# Altium PCB ST-Link-V2.1.PcbDoc
Units mil, origin at the board's own origin, x right, y up, seen from the top; angles counter-clockwise.
Board outline 1574.8 x 590.55 mil, 2 copper layers (Top Layer, Bottom Layer), stack 21 mil thick; 50 components, 40 nets, 184 pads, 62 vias.
Unrouted connection lines stored in the file: 11.
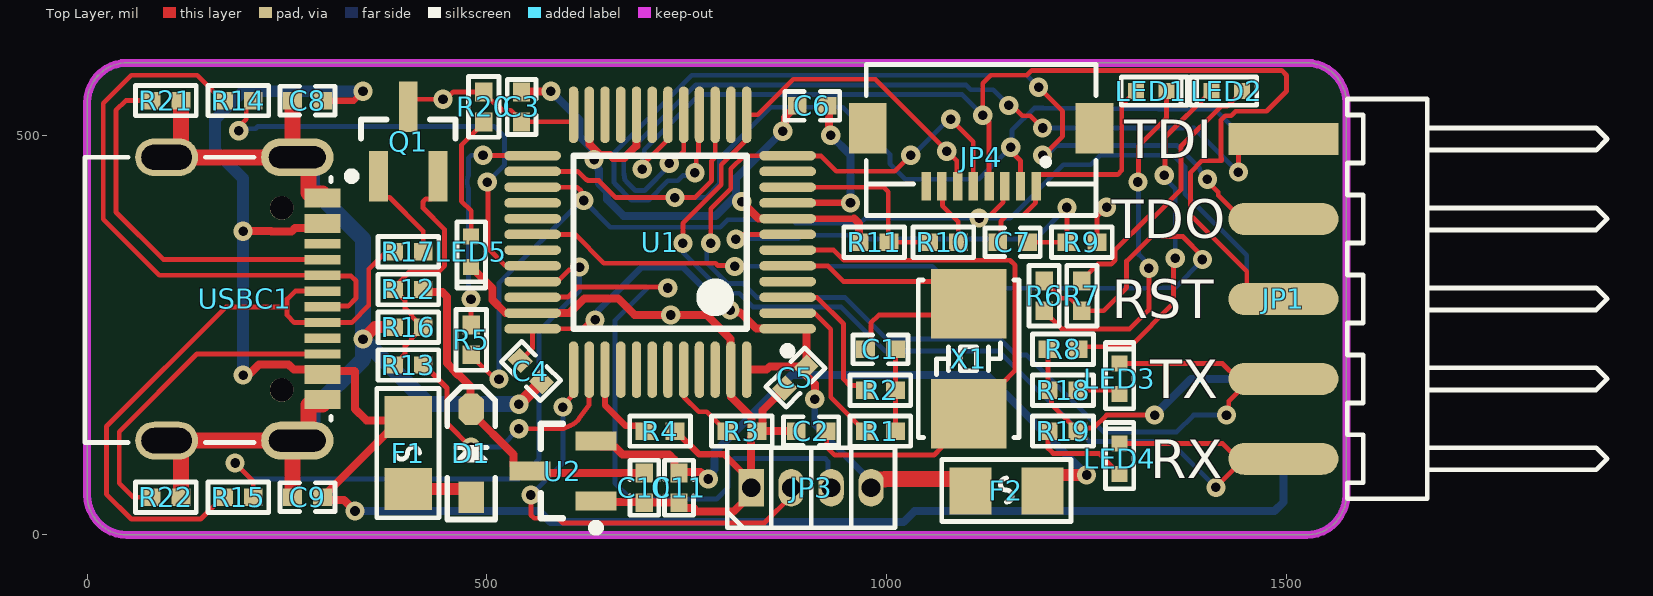
[diagram p0: Top Layer view]
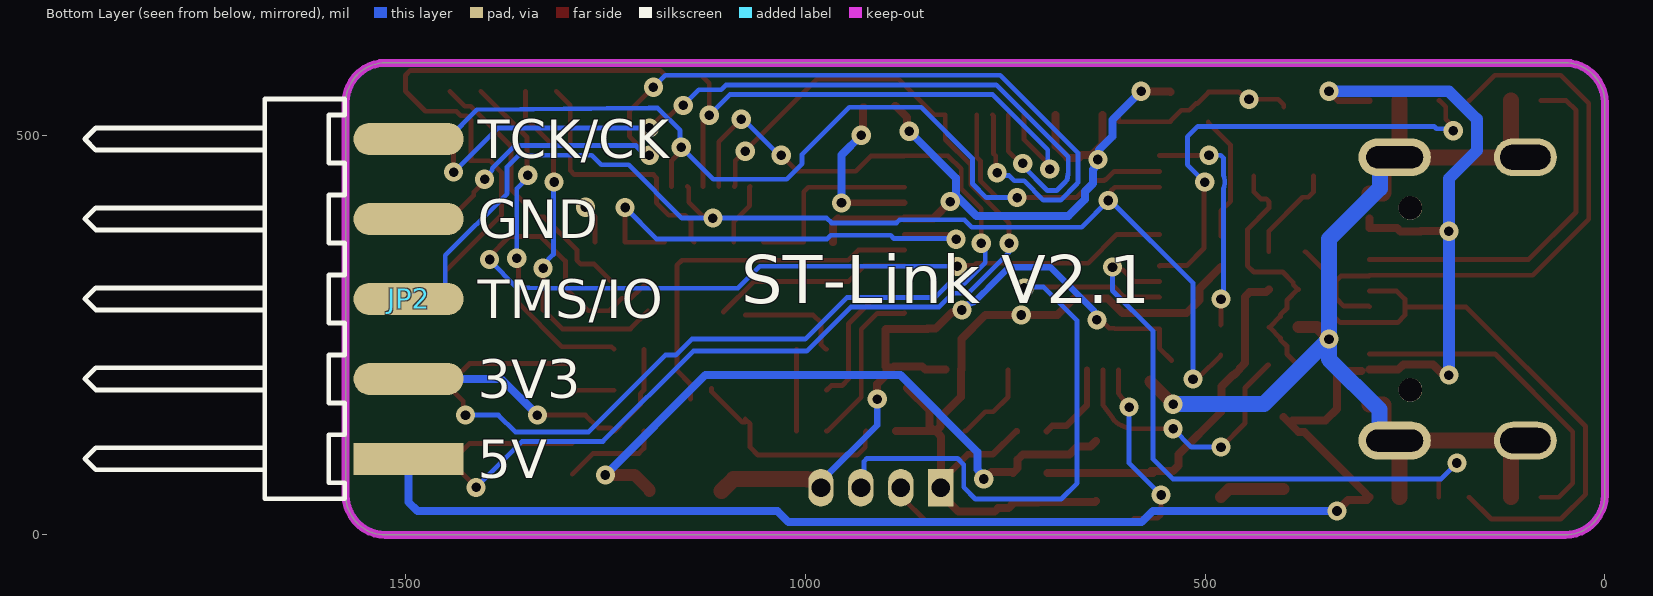
[diagram p1: Bottom Layer view, seen from below]

## Layer stack, top to bottom
Top Solder: solder mask 0.4, Solder Resist, Dk 3.5
Top Layer: signal copper 1.4
Dielectric 2: prepreg 2.8, PP-006, Dk 4.1
Dielectric 1: dielectric 12.6, FR-4, Dk 4.8
Dielectric 3: prepreg 2.8, PP-006, Dk 4.1
Bottom Layer: signal copper 1.4
Bottom Solder: solder mask 0.4, Solder Resist, Dk 3.5

## Board outline
0,50 0,540.55 cw(c50,540.55) 50,590.55 1524.8,590.55 cw(c1524.8,540.55) 1574.8,540.55 1574.8,50 cw(c1524.8,50) 1524.8,0 50,0 cw(c50,50)

## Design rules (kind name [scope] priority, off if disabled: settings)
Clearance [All] p1: gap=10 ignorepadtopadclearanceinfootprint=FALSE except(0: SMDPad-Hole THPad-Hole Via-Hole Fill-Hole Poly-Hole Region-Hole Text-Hole; 6: Arc-Arc Arc-Track Arc-SMDPad Arc-THPad Arc-Via Arc-Fill Arc-Poly Arc-Region Arc-Text Arc-Hole Track-Track Track-SMDPad Track-THPad Track-Via Track-Fill Track-Poly Track-Region Track-Text Track-Hole SMDPad-SMDPad)
PolygonConnect [All] p1: connectstyle=Relief reliefconductorwidth=10 reliefentries=4 polygonreliefangle="90 Angle" airgapwidth=10
RoutingVias [All] p1: holewidth=28 width=50 viastyle="Through Hole" minholewidth=28 minwidth=50 maxholewidth=28 maxwidth=50
SolderMaskExpansion [All] p1: expansion=4 istentingtop=FALSE
Width [All] p1: maxlimit=30 minlimit=6 preferedwidth=6 minimp=50.000000 maximp=50.000000 favimp=50.000000
30 further rules are at their usual default settings.

## Components (designator, comment, footprint, x,y, rotation, side; value= is the part's Value field where it differs from the comment)
C1 "20pF" C0402_M 992.13,232.28 r180 top
C2 "20pF" C0402_M 905.51,129.92 r0 top
C3 "100nF" C0402_M 543.31,535.43 r270 top
C4 "100nF" C0402_M 555,205 r135 top
C5 "100nF" C0402_M 885.83,196.85 r45 top
C6 "100nF" C0402_M 906.78,536.78 r0 top
C7 "100nF" C0402_M 1157.48,366.14 r0 top
C8 "100nF" C0402_M 275.59,543.31 r180 top
C9 "100nF" C0402_M 275.59,47.24 r180 top
C10 "1uF" C0402_M 696.85,59.06 r90 top
C11 "1uF" C0402_M 740.16,59.06 r90 top
D1 "1N5819" SOD-323 480.31,102.36 r90 top
F1 "6V 100mA" F0805 401.57,102.36 r90 top
F2 "6V 100mA" F0805 1149.61,55.12 r0 top
JP1 "HDR-1X5" HDR2.54-WS-5P 1496.06,295.28 r270 top
JP2 "HDR-1X5" HDR2.54-WS-5P 1496.06,295.28 r90 bottom
JP3 "HDR-1X4" HDR1.27-LI-4P 905.51,59.06 r0 top
JP4 "CON-8P" FPC0.5-WT-8P-双侧触点 1118.11,472.44 r180 top
LED1 "RED" LED0402_R 1330.71,555.12 r0 top
LED2 "GREEN" LED0402_G 1425.2,555.12 r180 top
LED3 "GREEN" LED0402_G 1291.34,195.28 r90 top
LED4 "BLUE" LED0402_B 1291.34,95.28 r90 top
LED5 "RED" LED0402_R 480.31,354.33 r270 top
Q1 "S9013" SOT23-3M 401.57,492.13 r90 top
R1 "10K" R0402_M 992.13,129.92 r180 top
R2 "10K" R0402_M 992.13,181.1 r180 top
R3 "10K" R0402_M 818.9,129.92 r0 top
R4 "4K7" R0402_M 716.54,129.92 r0 top
R5 "100R" R0402_M 480.31,244.09 r90 top
R6 "1K" R0402_M 1196.85,299.21 r270 top
R7 "1K" R0402_M 1244.09,299.21 r90 top
R8 "0R" R0402_M 1220.47,232.28 r180 top
R9 "100K" R0402_M 1244.09,366.14 r0 top
R10 "4K7" R0402_M 1070.87,366.14 r0 top
R11 "4K7" R0402_M 984.25,366.14 r0 top
R12 "10K" R0402_M 401.57,307.09 r0 top
R13 "100R" R0402_M 401.57,212.6 r180 top
R14 "10R" R0402_M 188.98,543.31 r0 top
R15 "10R" R0402_M 188.98,47.24 r0 top
R16 "10K" R0402_M 401.57,259.84 r0 top
R17 "1K5" R0402_M 401.57,354.33 r0 top
R18 "1K" R0402_M 1220.47,181.1 r180 top
R19 "1K" R0402_M 1220.47,129.92 r0 top
R20 "1K" R0402_M 496.06,535.43 r90 top
R21 "5.1K" R0402_M 98.43,543.31 r180 top
R22 "5.1K" R0402_M 98.43,47.24 r180 top
U1 "STM32F103CBT6" STM-LQFP48_N 716.54,366.14 r180 top locked
U2 "XC6206P332MR" SOT23-3N 595,80 r180 top
USBC1 "TYPE-C 2.0 -16P" USB-C-SMD_16P 196.85,295.28 r90 top locked
X1 "8MHz" OSC-5032-2P 1102.36,220.47 r270 top

## Footprints (in the part's own frame and the unit in brackets; to place one, negate y for a bottom-side part, rotate by r counter-clockwise, add the part's x,y. Pads: shape width x height; smd on the part's side, far side on the other; paste and mask are expansions set on the pad)
C0402_M [mm] "贴片MLCC电容"
  rect 0.6x0.55 smd: 1(-0.475,0) 2(0.475,0)
  silkscreen extent -0.87,-0.46 0.87,0.46, body extent -0.5,-0.25 0.5,0.25, height 0.5
F0805 [mm] "0805贴片自恢复保险丝(PPTC)   联系卖家 免费查找封装"
  rect 1.335x1.5 smd: 1(-1.142,0) 2(1.142,0)
  silkscreen extent -2.05,-0.97 2.05,1, body extent -1.05,-0.7 1.05,0.7, height 0.8
FPC0.5-WT-8P-双侧触点 [mm] "翻盖式 双侧触点/上下接 编带"
  rect 0.3x0.9 smd paste+0 mask+0.05: 1(-1.75,0.925) 2(-1.25,0.925) 3(-0.75,0.925) 4(-0.25,0.925) 5(0.25,0.925) 6(0.75,0.925) 7(1.25,0.925) 8(1.75,0.925)
  rect 1.2x1.6 smd paste+0 mask+0.05: 9(3.6,-0.925) 10(-3.6,-0.925)
  silkscreen extent -3.65,-2.95 3.65,1.85, body extent -3.9,-2.95 3.9,1.85, height 1.26
HDR1.27-LI-4P [mm] "直插，脚距：1.27mm  封装库来自淘宝卖家 ID：黄晶宝石"
  rect 0.8x1.2 hole 0.6: 1(-1.905,0)
  oval 0.8x1.2 hole 0.6: 2(-0.635,0) 3(0.635,0) 4(1.905,0)
  silkscreen extent -2.67,-1.27 2.67,1.27, body extent -2.54,-1.2 2.54,1.2, height 4.48
HDR2.54-WS-5P [mm] "5P卧式贴片排针2.54"
  rect 1.02x3.5 smd: 1(-5.08,0)
  oval 1.02x3.5 smd: 2(-2.54,0) 3(0,0) 4(2.54,0) 5(5.08,0)
  silkscreen extent -6.35,2.03 6.35,10.29, body extent -6.35,-0.76 6.35,10.34, height 2.59
LED0402_B [mil] "蓝色0402LED"
  rect 20x20 smd: 1(-19.23,0) 2(19.23,0)
  silkscreen extent -38,-18 46,18, body extent -20,-10 20,10, height 9
LED0402_G [mil] "绿色0402LED"
  rect 20x20 smd: 1(-19.23,0) 2(19.23,0)
  silkscreen extent -38,-18 46,18, body extent -20,-10 20,10, height 8
LED0402_R [mil] "红色0402LED"
  rect 20x20 smd: 1(-19.23,0) 2(19.23,0)
  silkscreen extent -38,-18 46,18, body extent -20,-10 20,10, height 8
OSC-5032-2P [mm] "5mm*3.2mm*0.8mm(长*宽*高)"
  rect 2.2x2.4 smd: 1(-1.75,0) 2(1.75,0)
  silkscreen extent -2.5,-1.6 2.5,1.6, body extent -2.5,-1.6 2.5,1.6, height 0.86
R0402_M [mm] "1/16W贴片电阻"
  rect 0.6x0.55 smd: 1(-0.475,0) 2(0.475,0)
  silkscreen extent -0.97,-0.48 0.97,0.48, body extent -0.5,-0.25 0.5,0.25, height 0.3
SOD-323 [mm] "1.8x1.3X0.9mm（长宽高，不包括引脚）联系卖家 免费查找封装"
  rect 1x0.8 smd: 1(-1.4,0)
  oct 1x0.8 smd: 2(1.4,0)
  silkscreen extent -2.11,-0.76 2.11,0.76, body extent -1.32,-0.65 1.32,0.65, height 0.95
SOT23-3M [mm] "SOT23, 3-Leads, Body 2.9x1.3mm, Pitch 0.95mm, Lead Span 2.4mm, IPC Low Density"
  rect 1.6x0.6 smd: 1(-1.1,0.95) 2(-1.1,-0.95) 3(1.1,0)
  silkscreen extent -1.22,-1.5 0.7,1.92, body extent -1.4,-1.45 1.4,1.45, height 1.2
SOT23-3N [mm] "SOT23, 3-Leads, Body 2.9x1.3mm, Pitch 0.95mm, Lead Span 2.4mm, IPC Medium Density  联系卖家 免费查找封装"
  rect 1.3x0.6 smd: 1(-1.05,0.95) 2(-1.05,-0.95) 3(1.05,0)
  silkscreen extent -1.18,-1.5 0.7,1.92, body extent -1.2,-1.5 1.2,1.5, height 1.05
STM-LQFP48_N [mm] "QFP, 48-Leads, Body 7x7mm, Pitch 0.5mm, IPC Medium Density封装库来自淘宝 ID：黄晶宝石"
  oval 1.8x0.3 smd: 1(-4.05,2.75) 2(-4.05,2.25) 3(-4.05,1.75) 4(-4.05,1.25) 5(-4.05,0.75) 6(-4.05,0.25) 7(-4.05,-0.25) 8(-4.05,-0.75) 9(-4.05,-1.25) 10(-4.05,-1.75) 11(-4.05,-2.25) 12(-4.05,-2.75) 25(4.05,-2.75) 26(4.05,-2.25) 27(4.05,-1.75) 28(4.05,-1.25) 29(4.05,-0.75) 30(4.05,-0.25) 31(4.05,0.25) 32(4.05,0.75) 33(4.05,1.25) 34(4.05,1.75) 35(4.05,2.25) 36(4.05,2.75)
  oval 0.3x1.8 smd: 13(-2.75,-4.05) 14(-2.25,-4.05) 15(-1.75,-4.05) 16(-1.25,-4.05) 17(-0.75,-4.05) 18(-0.25,-4.05) 19(0.25,-4.05) 20(0.75,-4.05) 21(1.25,-4.05) 22(1.75,-4.05) 23(2.25,-4.05) 24(2.75,-4.05) 37(2.75,4.05) 38(2.25,4.05) 39(1.75,4.05) 40(1.25,4.05) 41(0.75,4.05) 42(0.25,4.05) 43(-0.25,4.05) 44(-0.75,4.05) 45(-1.25,4.05) 46(-1.75,4.05) 47(-2.25,4.05) 48(-2.75,4.05)
  silkscreen extent -4.18,-2.75 2.75,3.57, body extent -4.5,-4.5 4.5,4.5, height 1.45
USB-C-SMD_16P [mm] "封装库来自淘宝ID:黄晶宝石"
  oval 1.2x2.3 hole 0.7 slot 1.8 at 90 deg: 0(-4.5,-1.675) 0(4.5,-1.675)
  oval 1.2x2 hole 0.8 slot 1.6 at 90 deg: 0(-4.5,2.475) 0(4.5,2.475)
  rect 0.3x1.15 smd: A1(3.35,-2.473) A4(2.55,-2.471) A5(1.25,-2.475) A6(0.25,-2.475) A7(-0.25,-2.473) A9(-2.55,-2.475) A12(-3.35,-2.475) B1(-3.05,-2.475) B4(-2.25,-2.475) B5(-1.75,-2.475) B6(-0.75,-2.475) B7(0.75,-2.473) B9(2.25,-2.471) B12(3.05,-2.473)
  rect 0.3x1.148 smd: A8(1.75,-2.475) B8(-1.25,-2.475)
  round 0.75 hole 0.75 unplated: ""(-2.89,-1.175) ""(2.89,-1.175)
  silkscreen extent -4.56,-2.75 4.5,5.08, body extent -4.45,-2.87 4.49,5.03, height 3.25

## Part data
C1 C2 C3 C4 C5 C6 C7 C8 C9 C10 C11: library part C, "贴片电容/MLCC电容", BOM名称=无极性贴片电容, 联系下单店铺卖家 免费帮你查找封装="联系下单店铺卖家 免费技术支持"
D1: "肖特基二极管", BOM名称=肖特基二极管, 当前库版本V2022.10.7 @淘宝卖家:黄晶宝石=最新版本发布https://shop463601444.taobao.com
F1 F2: library part FUSE-8.5*4.0*8.0, "方形保险丝", BOM名称=5*20保险丝, 联系下单店铺卖家 免费帮你查找封装="联系下单店铺卖家 免费技术支持"
JP1 JP2: library part "Header 5", "5P接插件", BOM名称=5P接插件, 封装库来自淘宝卖家ID：黄晶宝石=其他店铺购入均为盗版封装库，请立即申请退款，本店现金奖励50~200元, 联系卖家，免费查找封装=唯一出售店铺网址https://shop463601444.taobao.com
JP3: library part "Header 4", "4P接插件", BOM名称=4P接插件, 封装库来自淘宝卖家ID：黄晶宝石=其他店铺购入均为盗版封装库，请立即申请退款，本店现金奖励50~200元, 联系卖家，免费查找封装=唯一出售店铺网址https://shop463601444.taobao.com
JP4: library part "Header 8", "8P连接器", BOM名称=8P连接器, 封装库来自淘宝卖家:黄晶宝石=最新版本发布https://shop463601444.taobao.com
LED1 LED2 LED3 LED4 LED5: library part LED, "贴片LED", BOM名称=贴片LED, 封装库来自淘宝卖家：黄晶宝石=其他店铺购入均为盗版封装库，无更新权益，退款现金奖励200~1000元
Q1: library part 9013-DIP, "低频放大-NPN型", BOM名称=低频放大-NPN型, 参数="50V 0.5A 0.625W", 联系下单店铺卖家 免费帮你查找封装="联系下单店铺卖家 免费技术支持"
R1 R2 R3 R4 R5 R6 R7 R8 R9 R10 R11 R12 R13 R14 R15 R16 R17 R18 R19 R20 R21 R22: library part R, "贴片电阻", BOM名称=贴片电阻, 当前库版本V2022.10.7 @黄晶宝石=最新版本发布https://shop463601444.taobao.com
U1: "STM32 ARM-based 32-bit MCU Performance Line with 128 kB Flash, 20 kB Internal RAM, -40 to +85癈 Temperature, 48-Pin LQFP, Tray", ComponentLink1Description="Manufacturer URL", ComponentLink1URL=http://www.st.com/, ComponentLink2Description="STM32F103 Datasheet", ComponentLink2URL=http://www.st.com/internet/com/TECHNICAL_RESOURCES/TECHNICAL_LITERATURE/DATASHEET/CD00161566.pdf, ComponentLink3Description="STM32 Family Web Page", ComponentLink3URL=www.st.com/stm32, DatasheetVersion="rev13.0, Apr-2011", PackageDescription="48-Pin Low-Profile Quad Flat Pack, 7 x 7 mm Body, 0.5 mm Pitch (LQFP48)", PackageReference=LQFP48, PackageVersion="rev13, Apr-2011", 封装库来自淘宝卖家：黄晶宝石=最新版本发布https://shop463601444.taobao.com
U2: "LDO 3.3V/0.25A", 当前库版本V2022.10.7 @淘宝卖家:黄晶宝石=最新版本发布https://shop463601444.taobao.com
USBC1: library part USB2.0_Type-C_16Pin, "USB2.0_Type-C_16Pin母座", 当前库版本V2022.10.7 @淘宝卖家:黄晶宝石=最新版本发布https://shop463601444.taobao.com
X1: library part XTAL-2P, "2脚无源晶振(谐振器）", BOM名称=2脚无源晶振(谐振器）, 当前库版本V2022.10.7 @黄晶宝石=最新版本发布https://shop463601444.taobao.com

## Via types
v1: diameter 24, hole 12, Top Layer to Bottom Layer, tented both sides, 62 vias

## Nets (pads, with @x,y where several pads share a name; then routed paths per layer and width w, separated by ;. In a path a pad name is that pad's centre, name@x,y a point inside that pad or via, vN(x,y) a via of type N, cw(c..) or ccw(c..) an arc to the next point about the centre after c; other vN are vias at no path point)
3V3: C3.2 C4.2 C5.2 C6.2 F2.1 JP2.2 JP3.4 JP4.7 Q1.3 R8.2 R9.2 R10.2 R18.2 R19.2 R20.2 U1.1 U1.9 U1.24 U1.36 U1.48 | length 1886.9
  Top Layer w6: Q1.3 401.57,538.19 408.39,545 v1(445,545) 448.79,545 457.92,554.13 R20.2 496.06,553.15 509.67,539.54 511.45,539.54 519.67,531.32 529.7,531.32 543.31,517.72 C3.2 607.43,516.73 608.27,517.57 U1.24 ; C4.2 557.09,233.53 U1.36 613,257.87 613.78,258.65 619.96,258.65 630.31,269 v1(635.18,269) ; C6.2 C6.2@927.74,534.52 ; v1@927.74,502.26 v1(930,500) ; JP4.7 1069.62,435.3 1069.62,411.92 1089.57,391.97 R10.2 ; R8.2 R18.2 1206.13,176.74 1206.13,162.96 1231.36,137.73 1231.36,136.75 1238.19,129.92 R19.2 1243.22,133.97 1258.97,133.97 1275,150 v1(1335,150) ; R9.2 1262.8,397.8 v1(1275,410)
  Top Layer w8: U1.9 v1(954.65,415.35)
  Top Layer w10: v1(804.09,281.4) 806.77,278.73 813.25,278.73 813.49,278.49 816.51,278.49 837.01,257.99 846.96,257.99 847.08,257.87 U1.1 898.91,257.87 899.75,257.04 899.75,210.77 C5.2 898.69,209.71 898.69,200.06 910,188.74 v1(910,170) ; U1.48 849.78,206.69 853.72,210.63 888.86,210.63 890.11,209.38 C5.2@898.35,209.38 ; v1@927.74,502.26 C6.2@927.74,534.52 ; v1(954.65,415.35) v1@955,415
  Top Layer w20: JP3.4 980.51,63.82 985.82,69.13 997.1,69.13 997.98,70 1089.74,70 F2.1
  Bottom Layer w8: v1(635.18,269) 638.24,272.06 638.24,280.01 693.23,335 745.24,335 771.28,308.96 771.28,308.72 780.22,299.78 781.55,298.45 ccw(c787.17,304.14) 781.65,298.36 787.24,293.01 ccw(c796.23,302.4) 791.98,290.12 795.31,288.96 cw(c792.7,281.4) v1@796.67,288.35 ; v1@796.68,288.34 804.09,284.09 v1(804.09,281.4) ; v1(910,170) 910,137.44 980.51,66.93 JP3.4
  Bottom Layer w10: v1(930,500) 954.65,475.35 v1(954.65,415.35) ; v1(1335,150) 1380.28,195.28 JP2.2
5V: C10.2 D1.2 R12.2 U2.3 | length 451.6
  Top Layer w10: R12.2 423.6,303.76 444.14,303.76 450,297.9 450,215 455.99,209.01 455.99,207.99 463.9,200.08 464.92,200.08 479.23,185.77 479.23,158.57 D1.2 480.31,153.54 533.07,100.79 533.07,86.81 539.88,80 U2.3 567.44,80 565.2,77.76 C10.2
AIN: R10.1 R11.2 U1.10 | length 241.6
  Top Layer w6: U1.10 996.11,435.04 1001.97,429.18 1001.97,366.14 R10.1
GND: C1.1 C2.1 C3.1 C4.1 C5.1 C6.1 C7.1 C8.2 C9.2 C10.1 C11.1 JP2.4 JP3.1 JP4.1 JP4.8 LED1.1 LED5.2 R1.1 R2.1 R3.2 R4.2 R11.1 R16.1 R21.1 R22.1 U1.8 U1.20 U1.23 U1.35 U1.47 U2.1 USBC1.0 USBC1.A1 USBC1.A12 USBC1.B1 USBC1.B12 | length 3858
  Top Layer w6: USBC1.0@99.4,472.44 USBC1.0@99.92,472.44 ; R1.1 R2.1 C1.1 ; C7.1 1142.97,370.33 1142.97,392.97 1150,400 1170.47,400 1186.1,415.63 1186.1,446.93 1189.91,450.74 1288.65,450.74 1293.95,456.05 1293.95,537.59 LED1.1
  Top Layer w8: R4.2 736.22,129.92 765.26,100.89 796.56,100.89 830.51,66.93 JP3.1 ; U1.8 959.33,395.67
  Top Layer w10: LED5.2 507,308.41 507,293.9 522.99,277.91 556.74,277.91 U1.35 603.41,277.56 621.85,296 664,296 684.82,275.18 v1(729.82,275.18) 774.82,275.18 804.77,245.23 804.77,207.04 U1.47 805.46,206.35 805.46,172.6 830.79,147.27 830.79,135.75 R3.2@836.61,129.92 ; C3.1 543.74,554.57 579.57,554.57 v1(580,555) ; U1.23 628.3,525.24 628.3,488.59 v1@641.35,475.54 ; v1(634.01,469.69) 635.5,469.69 v1@641.35,475.54 ; U2.1 637.46,41.48 707.54,41.48 708.66,40.35 C11.1 740.16,39.37 745.98,33.54 758.65,33.54 763.06,29.14 808.47,29.14 830.51,51.18 JP3.1 ; U1.20 686.75,525.34 686.75,486.75 671.72,471.72 657.45,471.72 653.63,475.54 v1@641.35,475.54 ; v1(818.6,416.93) 839.51,396.02 875.64,396.02 U1.8 ; JP3.1@830.51,66.93 830.51,122.83 830.79,123.11 830.79,124.09 R3.2@836.61,129.92 ; v1(870,505) 872.68,507.68 872.68,522.36 887.09,536.78 C6.1 ; C5.1 844.41,155.43 844.41,135.75 R3.2@838.58,129.92 ; C2.1 R3.2@838.58,129.92 ; 959.33,395.67 965.55,389.45 R11.1 ; R3.2@836.61,129.92 R3.2 R3.2@838.58,129.92
  Top Layer w15: v1(345,245) 359.84,259.84 R16.1 ; v1(540,163.55) C4.1
  Top Layer w20: R22.1 117.13,100.9 99.92,118.11 99.4,118.11 USBC1.0@262.79,118.11 ; R21.1 117.13,489.64 99.92,472.44 USBC1.0@262.79,472.44 ; C9.2 256.89,112.21 USBC1.0@262.79,118.11 ; C8.2 256.89,478.34 USBC1.0@262.79,472.44 ; USBC1.A1 277.49,427.17 276.59,428.07 276.59,458.64 USBC1.0@262.79,472.44 ; USBC1.A12 277.55,163.39 276.65,162.48 276.65,131.97 USBC1.0@262.79,118.11
  Bottom Layer w10: v1(580,555) 615.98,519.02 615.98,498.3 632.83,481.46 632.83,470.88 v1(634.01,469.69) ; v1@638.18,467.83 638.18,458.7 640.05,456.84 640.05,439.72 650.16,429.61 650.16,419.84 671,399 785.77,399 809.44,422.67 810.79,422.67 v1@811.67,423.56 ; v1(818.6,416.93) 818.6,417.74 812.78,423.56 v1@811.67,423.56 ; v1(870,505) 811.67,446.67 v1@811.67,423.56
  Bottom Layer w20: USBC1.0@262.79,118.11 269.11,118.11 281.69,130.7 281.69,156.69 345,220 v1(345,245) ; USBC1.0@262.79,472.44 268.83,472.44 281.41,459.86 281.41,433.59 345,370 v1(345,245) ; v1(540,163.55) 426.45,163.55 v1(345,245)
LED_STLINK: R6.1 R7.1 U1.30 | length 1167.9
  Top Layer w6: U1.30 610.23,375.98 646.21,340 785.89,340 788.89,337 808.89,337 v1(809.89,336) ; R6.1 1196.85,316.93 1211.46,302.32 1211.82,302.32 1218.04,296.1 1229.49,296.1 1244.09,281.5 R7.1 1271.31,280.51 1300,309.2 1300,342.52 1330.65,373.18 1370.54,373.18 1394.86,348.85 v1(1394.86,344.52)
  Bottom Layer w6: v1(809.89,336) 809.98,336.09 1056.81,336.09 1084.18,308.71 1326.19,308.71 ccw(c1327.9,333.66) 1328.48,308.66 1360.91,309.41 1394.86,343.37 v1(1394.86,344.52)
NetC11_2: C11.2 F2.2 U2.2 | length 825.5
  Top Layer w10: U2.2 643.15,110.59 659.41,110.59 669.43,100.57 727.91,100.57 734.33,94.14 734.33,83.58 C11.2 741.28,78.88 767.33,78.88 776.21,70 v1(776.76,70)
  Top Layer w15: F2.2 1194.59,56.22 1213.37,75 v1(1250,75)
  Bottom Layer w10: v1(776.76,70) 776.76,73.79 784.83,81.86 784.83,103.91 880.92,200 1125,200 v1(1250,75)
NetD1_1: D1.1 F1.1 | length 82.9
  Top Layer w15: F1.1 470.18,57.38 D1.1
NetLED1_2: LED1.2 R6.2 | length 445.1
  Top Layer w6: R6.2 1196.85,279.53 1218.68,257.7 1304.01,257.7 1327.9,281.59 v1(1327.9,333.66) ; v1(1314.08,441.51) 1315.02,442.45 1315.02,486.8 1349.94,521.72 LED1.2
  Bottom Layer w6: v1(1314.08,441.51) 1315.02,440.57 1315.02,350.87 1327.9,337.99 v1(1327.9,333.66)
NetLED2_1: LED2.1 R7.2 | length 338.4
  Top Layer w6: R7.2 1244.09,318.9 1264.06,338.87 1280.92,338.87 1285.61,343.55 1285.61,356.52 1326.76,397.67 1333.85,397.67 1368,431.82 1368,485.89 1418.47,536.35 1425.67,536.35 LED2.1
NetLED2_2: LED2.2 R8.1 | length 439.8
  Top Layer w6: R8.1 1242.4,235.51 1304.45,235.51 1358.54,289.6 1358.54,343.81 v1(1360.83,346.11) ; v1(1347,450) 1348,451 1348,497.15 LED2.2
  Bottom Layer w6: v1(1347,450) 1347,447.21 1360.9,433.31 1360.9,346.18 v1(1360.83,346.11)
NetLED3_1: LED3.1 R18.1 | length 54.3
  Top Layer w6: R18.1 1286.28,181.1 LED3.1
NetLED4_1: LED4.1 R19.1 | length 124.6
  Top Layer w6: R19.1 1201.77,108.23 1208,102 1265.38,102 LED4.1
NetLED5_1: LED5.1 R20.1 | length 159.9
  Top Layer w6: LED5.1 480.31,405.26 468,417.58 468,487.69 496.06,515.75 R20.1
NetQ1_1: Q1.1 R17.2 | length 121.9
  Top Layer w6: Q1.1 364.17,429.13 370.98,422.32 378.11,422.32 420.28,380.16 R17.2
NetQ1_2: Q1.2 R12.1 R13.2 R16.2 | length 338.7
  Top Layer w6: R13.2 383.86,212.6 397.46,226.2 397.46,236.24 405.69,244.46 405.69,246.24 R16.2@419.29,259.84 ; R12.1 R12.1@383.86,307.09 ; R16.2 R16.2@419.29,259.84 ; Q1.2 438.98,429.13 430.17,420.32 423.51,420.32 420,416.81 420,409.06 447,382.06 447,337 438.91,328.91 402.92,328.91 389.69,315.67 389.69,312.91 R12.1@383.86,307.09 ; R12.1@383.86,307.09 397.46,293.48 397.46,283.45 405.69,275.23 405.69,273.45 R16.2@419.29,259.84
NetR1_2: R1.2 U1.2 | length 208.3
  Top Layer w6: U1.2 876.33,277.21 910.08,277.21 930,257.29 930,172.36 972.44,129.92 R1.2
NetR2_2: R2.2 U1.3 | length 185.9
  Top Layer w6: U1.3 876.33,296.9 913.02,296.9 946,263.92 946,195 954.07,186.93 967.6,186.93 R2.2
NetR3_1: R3.1 U1.44 | length 105.7
  Top Layer w6: U1.44 746.41,206.35 746.41,172.6 764.83,154.17 774.96,154.17 799.21,129.92 R3.1
NetR4_1: R4.1 U1.39 | length 108
  Top Layer w8: U1.39 647.64,162.36 673.25,136.75 691.01,136.75 R4.1
OSC_8M_IN: C1.2 U1.5 X1.1 | length 385.5
  Top Layer w6: U1.5 926.42,336.61 945.83,317.2 1064.06,317.2 X1.1@1102.36,278.9 ; C1.2 974.41,232.28 980.24,238.11 980.24,265.24 990,275 1074.96,275 X1.1@1075,274.96
OSC_8M_OUT: C2.2 U1.6 X1.2 | length 739.2
  Top Layer w6: U1.6 933.7,356.3 946.32,343.68 1154.16,343.68 1160.61,337.23 1160.61,205.88 1143.52,188.79 X1.2@1143.52,169.75 ; C2.2 925.05,129.09 925.05,109.95 935,100 1059.09,100 1069.09,110 1069.09,139.13 X1.2@1075,145.04 ; X1.2@1075,141.1 1078.94,141.1 1117.24,179.41 X1.2@1117.24,183.35
ST_RST: C7.2 R9.1 U1.7 | length 594.7
  Top Layer w6: v1(811.32,369.97) 813.63,369.97 819.64,375.98 U1.7 ; C7.2 R9.1 v1(1225.39,409.61) v1@1225,410
  Bottom Layer w6: v1(811.32,369.97) 812.03,370.67 889,370.67 893.33,375 967.99,375 972.64,370.35 1186.14,370.35 v1(1225.39,409.61)
ST_SWCLK: JP3.2 U1.37 | length 556.9
  Top Layer w6: v1(555,50) 555,25 559.06,20.94 588.75,20.94 594.69,15 847.04,15 880.51,48.47 JP3.2 ; v1(595,160) 608.27,177.17 U1.37
  Bottom Layer w6: v1(555,50) 595,90 v1(595,160)
ST_SWDIO: JP3.3 U1.34 | length 810.1
  Top Layer w6: U1.34 557.43,297.59 600.82,297.59 613.23,310 725,310 v1(726.03,308.97)
  Bottom Layer w6: v1(726.03,308.97) 725,310 701.82,310 660.17,268.36 cw(c635.18,269) 660.01,266.04 660,265.75 ccw(c666,265.65) 660,265.69 660,65 680,45 787.12,45 801.76,59.64 801.76,88.06 809.38,95.68 922.88,95.68 926.4,92.16 926.4,63.17 JP3.3
ST_USB_DN: R14.2 U1.32 | length 599.4
  Top Layer w6: v1(189.5,505.71) 189.5,510.58 198.87,519.95 198.87,535.48 206.69,543.31 R14.2 ; v1(500.4,441.43) 501.31,440.51 501.31,358.64 522.99,336.96 556.74,336.96 U1.32
  Bottom Layer w6: v1(189.5,505.71) 191.86,508.07 210.5,508.07 213.5,511.07 508.93,511.07 522,498 522,463.04 v1(500.4,441.43)
ST_USB_DP: R15.2 U1.33 | length 778.1
  Top Layer w6: v1(185,90) 207.68,67.32 R15.2 ; U1.33 588.01,316.93 602.76,331.68 612.28,331.68 v1(615.73,335.13)
  Bottom Layer w6: v1(185,90) 205,70 540,70 565,95 565,255 615.73,305.73 v1(615.73,335.13)
STLINK_RX: JP1.5 JP4.6 LED4.2 U1.13 | length 1617.8
  Top Layer w6: v1(745,365) 745,390 793,438 793,462.87 824.8,494.67 U1.13 838.7,525.59 883.11,570 985.91,570 1087.67,468.24 1087.67,436.93 JP4.6 ; LED4.2 1419.85,114.51 1439.08,95.28 JP1.5@1452.36,95.28 ; v1(1411.75,59.5) 1411.75,59.64 1447.39,95.28 JP1.5@1452.36,95.28 ; JP1.5 JP1.5@1452.36,95.28
  Bottom Layer w6: v1(745,365) 745,353.63 796.23,302.4 815.48,302.4 832.88,285 943.03,285 998.03,230 1140,230 1253,117 1354.25,117 v1(1411.75,59.5)
  other v1: 1075,480
STLINK_TX: JP1.4 JP4.5 LED3.2 U1.12 | length 1557.9
  Top Layer w6: v1(780,365) 780,408.03 805,433.03 805,457.89 821.51,474.41 U1.12 876.33,474.06 917.75,474.06 936.82,455 1010,455 v1(1030,475) ; v1(1080,520) 1108.27,491.73 JP4.5 ; LED3.2 1419.85,214.51 1439.08,195.28 JP1.4@1452.36,195.28 ; v1(1425,150) 1427.68,152.68 1427.68,167.55 1452.36,192.24 JP1.4@1452.36,195.28 ; JP1.4 JP1.4@1452.36,195.28
  Bottom Layer w6: v1(780,365) 775,360 775,340.6 801.2,314.4 820.45,314.4 837.85,297 948,297 1000,245 1141.97,245 1161.97,225 1175,225 1271,129 1362.72,129 1383.72,150 v1(1425,150) ; v1(1030,475) 1032.5,475 1077.5,520 v1(1080,520)
T_JTCK: JP2.5 JP4.2 U1.15 U1.26 | length 1318
  Top Layer w6: U1.26 613.63,454.72 623.66,444.69 624.72,444.69 626.21,443.2 639.98,443.2 661.18,422 v1(735,422) ; v1@736,421 737,422 760.03,422 781,442.97 781,467.84 785.43,472.27 U1.15 ; v1(1155,485) 1155,480.13 1167.32,467.81 JP4.2
  Bottom Layer w6: v1(735,422) 773.49,422 790.85,439.36 790.85,470.85 855,535 945,535 1004,476 1004,464.23 1023.23,445 1115,445 v1(1155,485) 1156.64,486.64 1156.64,506 1184.64,534 1195.3,534 1410.68,531.84 1447.24,495.28 JP2.5
T_JTDI: JP1.1 U1.17 | length 1114.7
  Top Layer w6: v1(728.03,464.7) 730.7,464.7 746.06,480.06 U1.17 ; v1(1152.64,537.36) 1156.42,537.36 1169.38,524.4 1179.6,524.4 v1(1195,509) ; v1(1439.8,453.86) 1439.8,478.2 1456.87,495.28 JP1.1
  Bottom Layer w6: v1(728.03,464.7) 728.03,461.7 697.21,430.88 685.66,430.88 675.77,440.77 672.77,443.77 671.4,451.52 671.01,451.9 671.01,472.98 761.03,563 1098.97,563 1105.21,556.76 1133.24,556.76 v1(1152.64,537.36) ; v1(1195,509) 1384.66,509 v1(1439.8,453.86)
T_JTDO: JP1.2 U1.16 | length 1272.9
  Top Layer w6: v1(760,453.11) 761.64,454.75 761.64,474.11 764.64,477.11 764.64,524.48 U1.16 ; v1(1190,560) 1220,530 1220,498.64 1196.36,475 v1(1195,475) ; v1(1401,445) 1401,442.49 1414.59,428.89 1414.59,424.65 1443.97,395.28 JP1.2
  Bottom Layer w6: v1(760,453.11) 756.56,449.67 745.37,449.67 738.7,443 726.3,443 702.18,418.88 680.69,418.88 660.77,438.8 659.01,440.56 659.01,477.95 756.06,575 1175,575 v1(1190,560) ; v1(1195,475) 1199.87,475 1211.87,487 1363.33,487 1391.56,458.77 1391.56,456.31 1401,446.87 v1(1401,445)
T_JTMS: JP2.3 JP4.3 R5.1 U1.27 | length 1497.9
  Top Layer w6: R5.1 480.31,224.41 507.05,197.68 512.32,197.68 v1(515,195) ; U1.27 613.02,435.04 617.6,430.46 617.6,421.78 v1(621.04,418.34) ; v1(1115.54,396.35) 1118.6,399.41 1129.1,399.41 1145.73,416.05 1145.73,434.12 JP4.3
  Bottom Layer w6: v1(515,195) 515,315 618.34,418.34 v1(621.04,418.34) 654.38,385 791.57,385 800.94,394.37 882.04,394.37 886.06,390.35 967.15,390.35 973.15,396.35 v1(1115.54,396.35) 1154.38,396.35 1221.03,463 1255,463 1267,475 1358.36,475 1373,460.36 1373,427 1450.24,349.76 1450.24,311.05 1466.02,295.28 JP2.3
T_NRST: JP1.3 JP4.4 U1.18 | length 1527.1
  Top Layer w6: v1(694.26,457.63) 694.26,462.38 726.38,494.49 U1.18 ; JP4.4 1127.95,517.05 v1(1120,525) 1120,565 1130,575 1175.3,575 1181.3,581 1494,581 1500,575 1500,555 1475,530 1436.28,530 1430.64,524.35 1423.44,524.35 1418.17,519.08 1418.17,471.47 1418.8,470.84 1418.8,468.39 1418.36,467.95 1394.26,467.95 1380,453.7 1380,400 1450.24,329.76 1450.24,311.05 1466.02,295.28 JP1.3
  Bottom Layer w6: v1(694.26,457.63) 696.63,460 696.63,481.63 766,551 1094,551 v1(1120,525)
T_SWDIO_IN: R5.2 U1.25 | length 292.3
  Top Layer w6: v1(480,295) 480.16,294.84 480.16,262.95 R5.2 ; v1(495,475) 495.3,474.7 556.79,474.7 U1.25
  Bottom Layer w6: v1(480,295) 480,295.86 476.92,298.94 476.92,432.84 cw(c500.4,441.43) 476.92,450.02 476.92,471.38 478.67,473.14 480.43,474.9 494.9,474.9 v1(495,475)
USB_CC1: R21.2 USBC1.A5 | length 458.8
  Top Layer w6: R21.2 48.31,543.31 36,531 36,404 95.51,344.49 USBC1.A5
USB_CC2: R22.2 USBC1.B5 | length 405.7
  Top Layer w6: R22.2 57.76,47.24 40,65 40,129.07 137.31,226.38 USBC1.B5
USB_DN: R14.1 USBC1.A7 USBC1.B7 | length 739.2
  Top Layer w6: R14.1 169.29,543.31 137.6,575 55,575 20,540 20,395 90.19,324.81 USBC1.B7 295.11,323.91 330.33,323.91 336.19,318.05 336.19,296.19 326.34,286.34 295.13,286.34 USBC1.A7
USB_DP: R15.1 R17.1 USBC1.A6 USBC1.B6 | length 803.5
  Top Layer w6: R15.1 169.29,47.24 142.05,20 55,20 24,51 24,135.7 173.3,285 250,285 ; USBC1.A6 260.12,305.12 250,295 250,285 ; R17.1@375,354.33 374.02,354.33 352.19,332.5 352.19,287.19 330.75,265.75 USBC1.B6 259.25,265.75 250,275 250,285
USB_RENUMn: R13.1 U1.38 | length 342.1
  Top Layer w6: R13.1 421.26,212.6 450,183.86 450,140 v1(480,110) ; v1(540,133) 595.51,133 604.89,137.04 ccw(c595,160) 615.35,145.48 627.61,162.61 627.61,206.35 U1.38
  Bottom Layer w6: v1(480,110) 517,110 v1(540,133)
VBUS: C8.1 C9.1 F1.2 JP2.1 USBC1.A4 USBC1.A9 USBC1.B4 USBC1.B9 | length 2377.7
  Top Layer w8: C8.1 333.31,543.31 v1(345,555)
  Top Layer w10: v1(195,200) 201.62,200 215,213.38 251.89,213.38 258.58,206.69 USBC1.B4 ; v1(195,380) 230.06,380 230.78,379.29 255.43,379.29 260,383.86 USBC1.B9 USBC1.A4 ; USBC1.B4@304.4,205 334.42,205 335,204.42 335,157.58 349.17,143.41 F1.2@390.45,143.41 ; v1(335,30) 321.1,43.9 297.64,43.9 C9.1 295.28,47.24 298.6,50.57 298.6,51.56 375.61,128.56 382.8,128.56 F1.2
  Bottom Layer w10: v1(335,30) 565.37,30 576.24,19.13 579.17,16.2 1021.2,16.2 1035,30 1485,30 1496.06,41.06 JP2.1
  Bottom Layer w15: v1(195,200) v1(195,380) 195,445.79 160,480.79 160,520 195,555 v1(345,555)
pads on no net: JP4.9 JP4.10 U1.4 U1.11 U1.14 U1.19 U1.21 U1.22 U1.28 U1.29 U1.31 U1.40 U1.41 U1.42 U1.43 U1.45 U1.46 USBC1. USBC1.A8 USBC1.B8

## Keep-outs
Keep-Out Layer:
  the board outline again, w10

## Silkscreen, mask and mechanical layers (free items; w line width, h text height)
Top Overlay:
  text "TDI" at 1297.36,471.28 h48
  text "TDO" at 1281.36,371.28 h48
  text "RST" at 1281.36,271.28 h48
  text "TX" at 1329.35,171.28 h48
  text "RX" at 1329.35,71.28 h48
Bottom Overlay:
  text "TCK/CK" at 1409.32,471.28 h48
  text "GND" at 1409.32,371.28 h48
  text "ST-Link V2.1" at 1080,290 h60
  text "TMS/IO" at 1409.32,271.28 h48
  text "3V3" at 1409.32,171.28 h48
  text "5V" at 1409.32,71.28 h48